# Altium PCB control-boardv1.0.PcbDoc
Units mil, origin at the board's own origin, x right, y up, seen from the top; angles counter-clockwise.
Board outline 3425.2 x 3661.42 mil, 2 copper layers (Top Layer, Bottom Layer); 100 components, 96 nets, 357 pads, 170 vias.
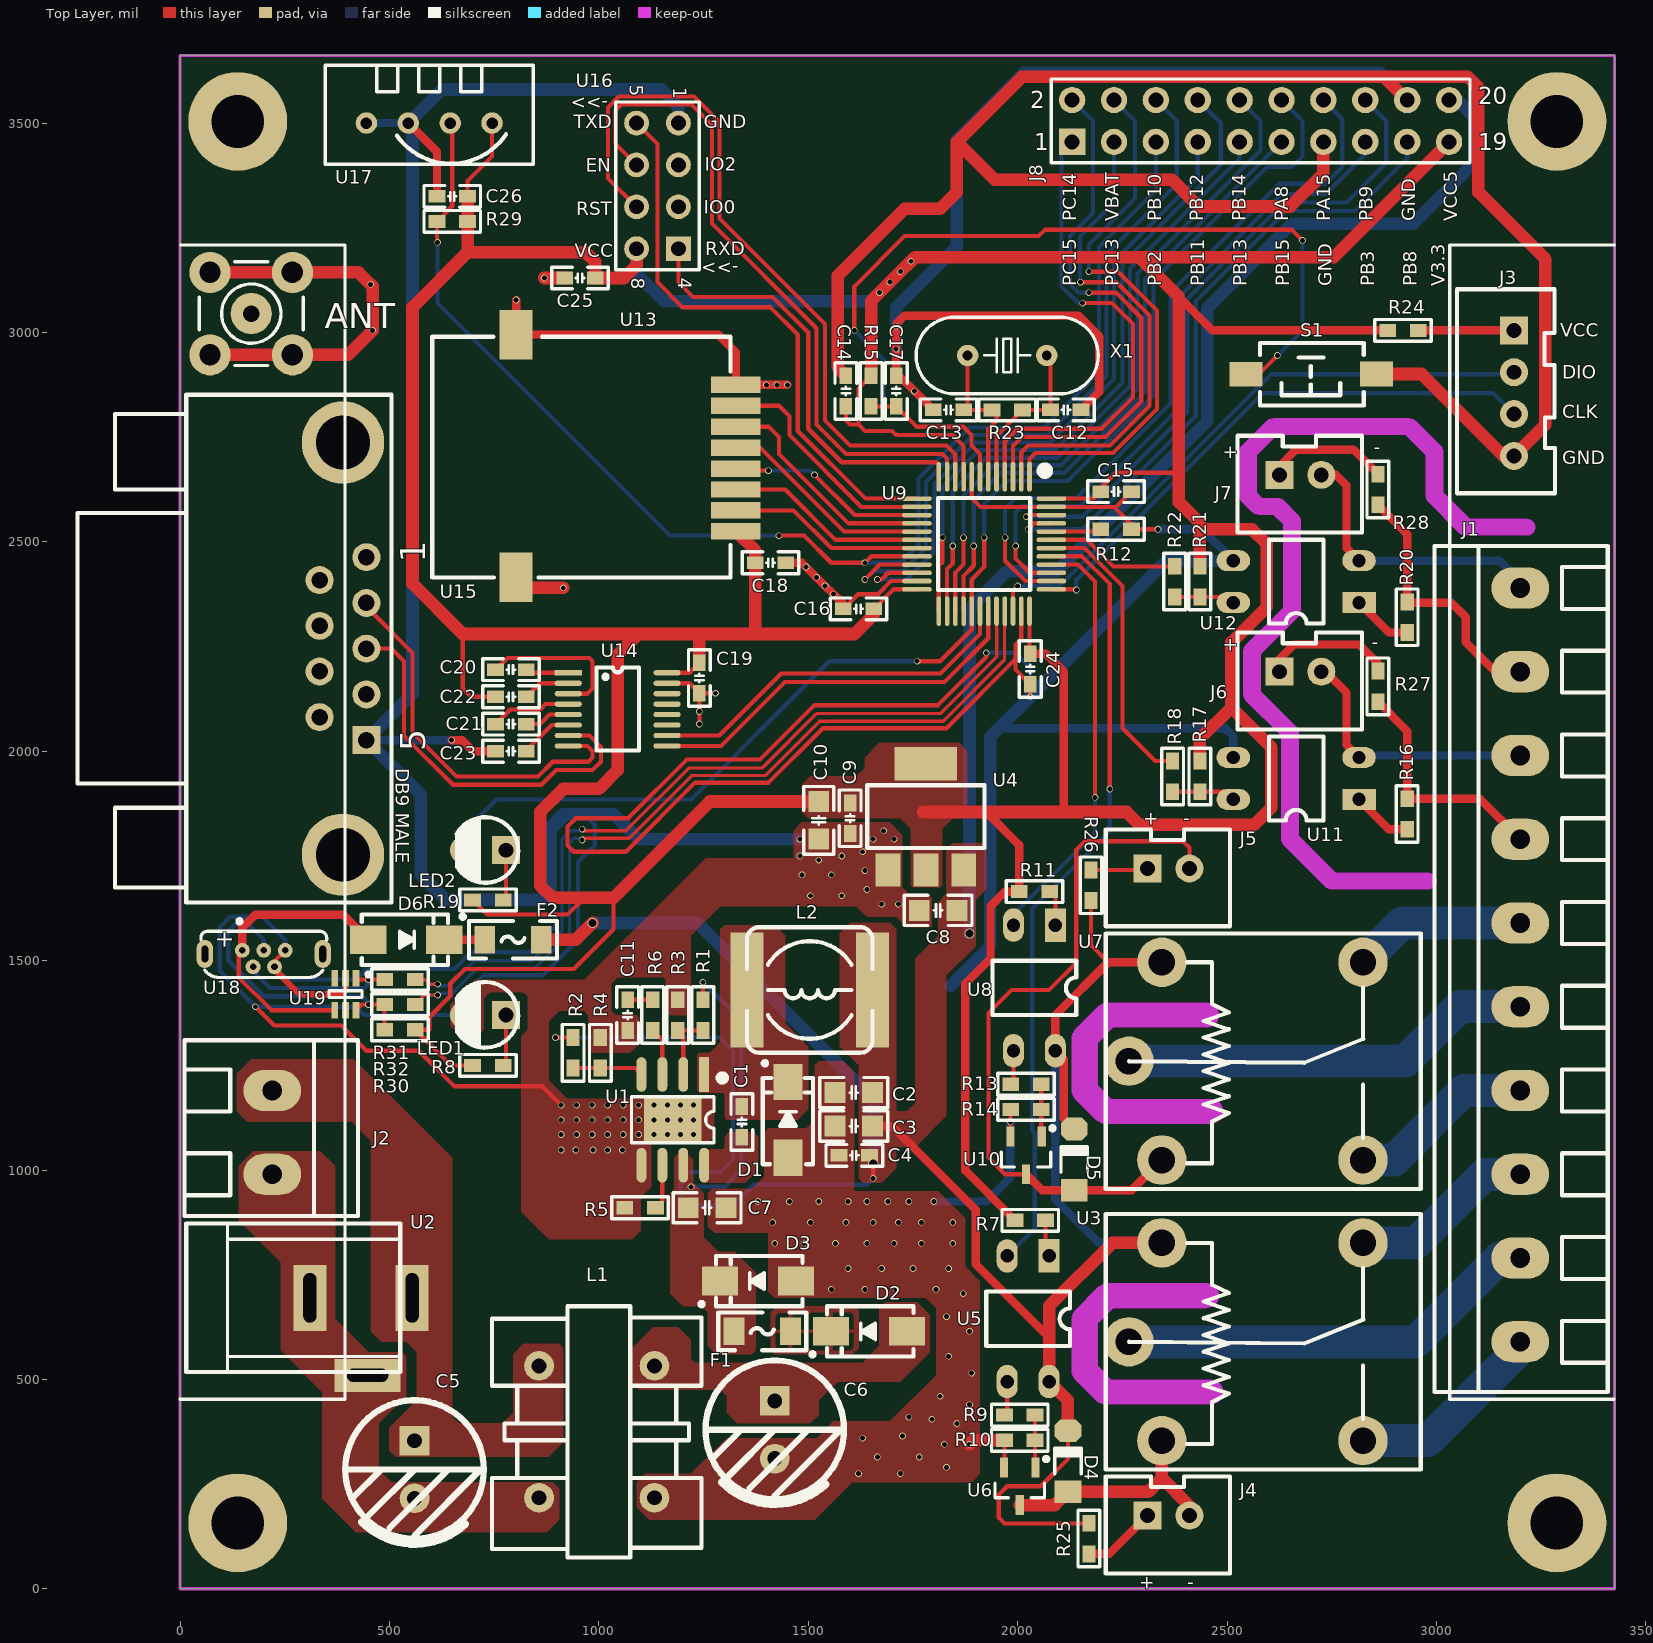
[diagram p0: Top Layer view]
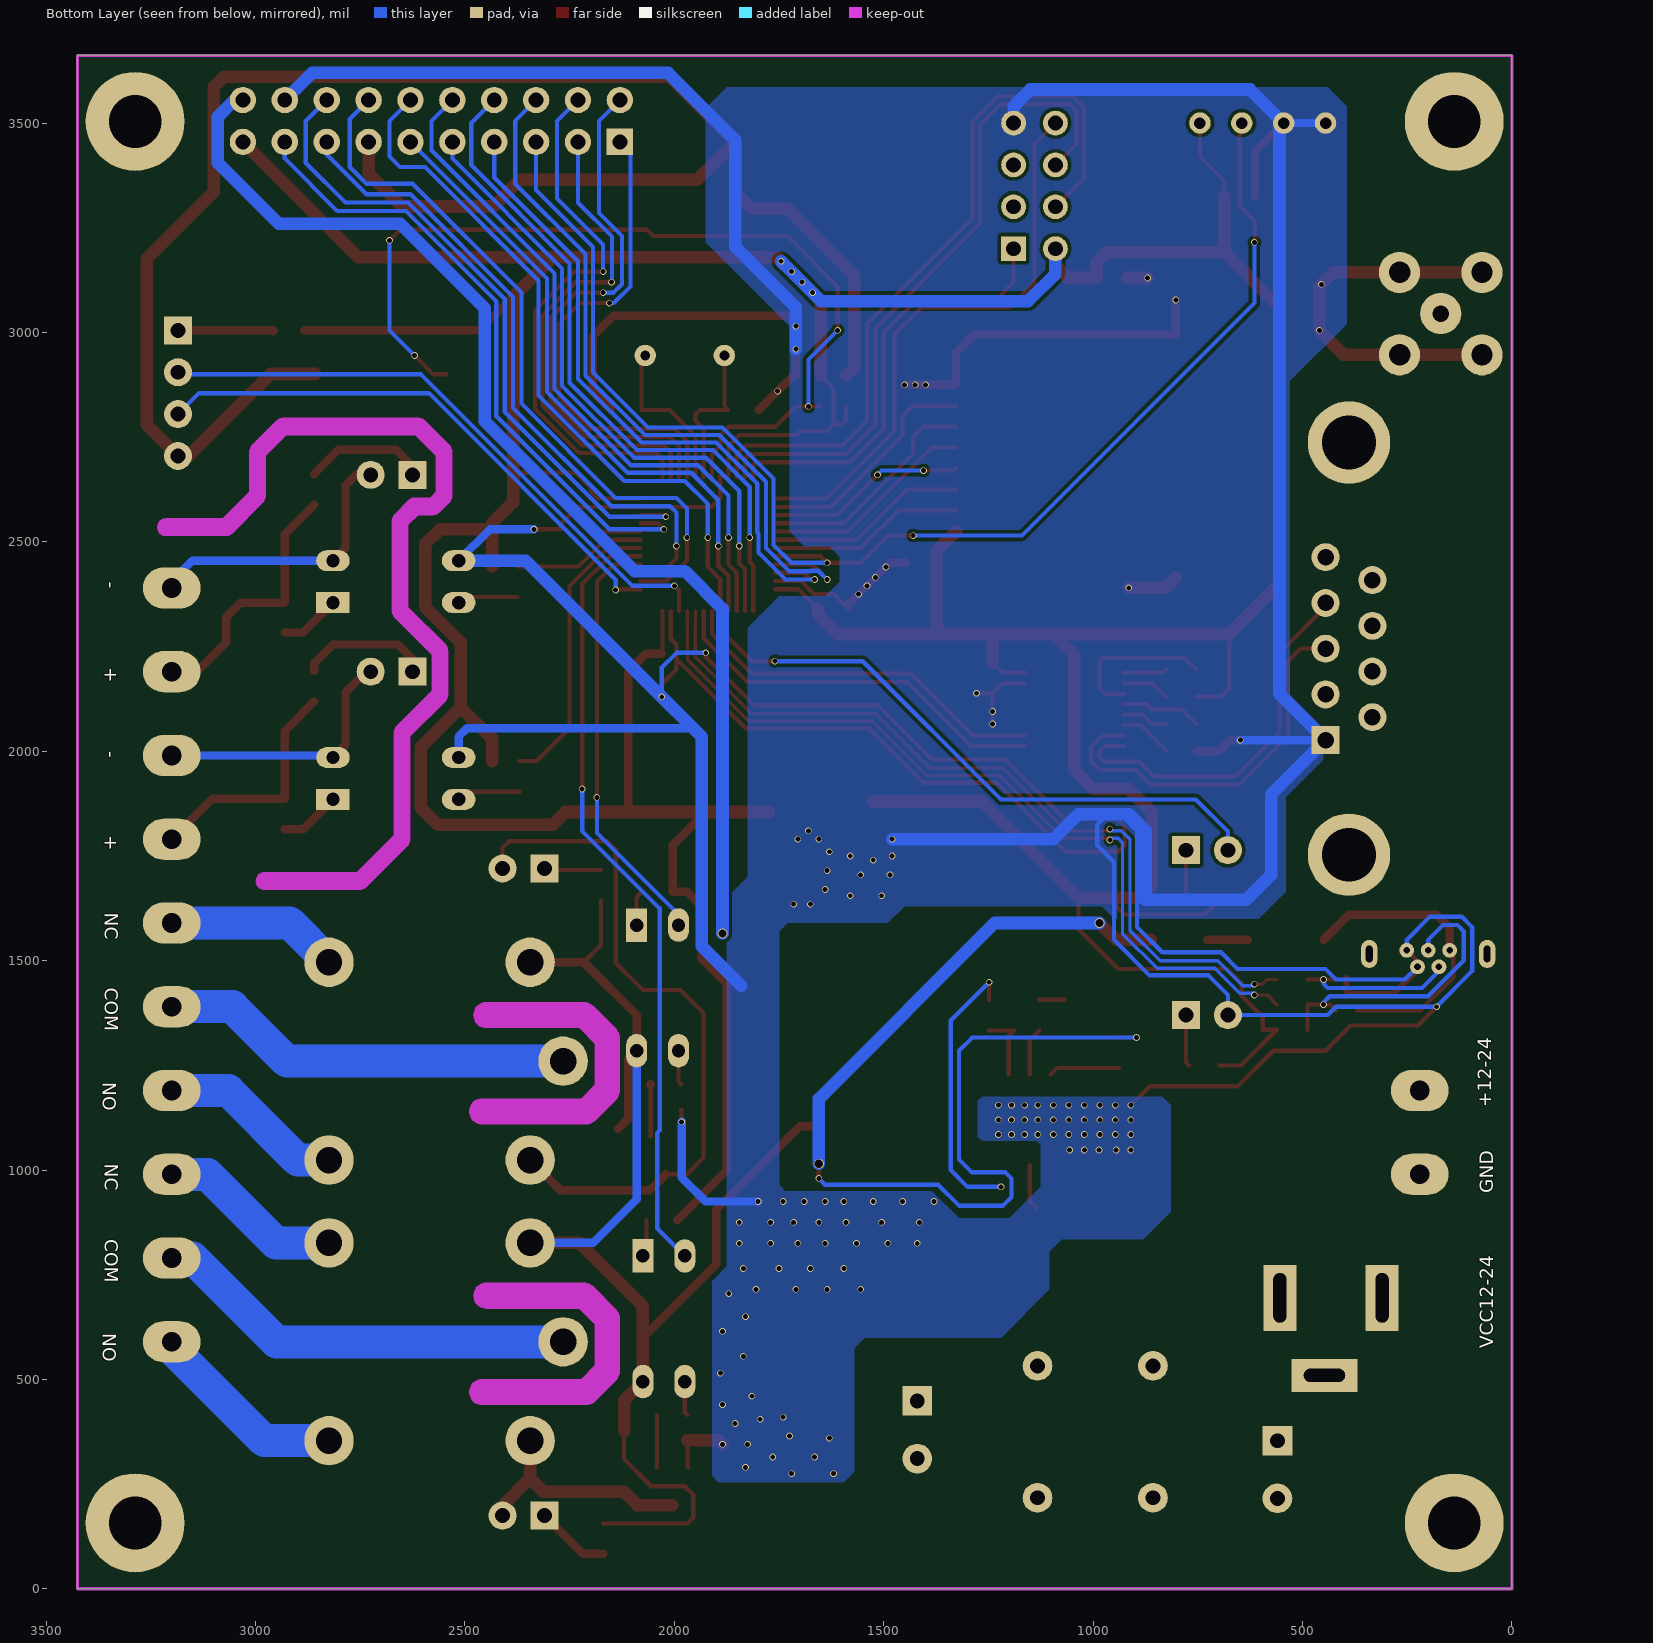
[diagram p1: Bottom Layer view, seen from below]

## Layer stack, top to bottom
Top Solder: solder mask 0.4, Solder Resist, Dk 3.5
Top Layer: signal copper 1.4
Dielectric 1: dielectric 12.6, FR-4, Dk 4.8
Bottom Layer: signal copper 1.4
Bottom Solder: solder mask 0.4, Solder Resist, Dk 3.5

## Board outline
0,0 0,3661.42 3425.2,3661.42 3425.2,0
cut-out: 2546.08,2121.06 cw(c2560,2135) 2540.3,2135 2540.3,2240 cw(c2560,2240) 2546.07,2253.93 2546.06,2253.92 2635.3,2343.16 2635.3,2541.84 2611.84,2565.3 2575,2565.3 cw(c2575,2585) 2561.06,2571.08 2561.07,2571.07 2536.07,2596.07 2536.08,2596.06 cw(c2550,2610) 2530.3,2610 2530.3,2715 cw(c2550,2715) 2536.08,2728.94 2536.07,2728.93 2596.07,2788.93 2596.06,2788.92 cw(c2610,2775) 2610,2794.7 2935,2794.7 cw(c2935,2775) 2948.94,2788.92 2948.93,2788.93 3008.93,2728.93 3008.92,2728.94 cw(c2995,2715) 3014.7,2715 3014.7,2618.16 3078.16,2554.7 3215,2554.7 cw(c3215,2535) 3234.7,2535 cw(c3215,2535) 3215,2515.3 3070,2515.3 cw(c3070,2535) 3056.06,2521.08 3056.07,2521.07 2981.07,2596.07 2981.08,2596.06 cw(c2995,2610) 2975.3,2610 2975.3,2706.84 2926.84,2755.3 2618.16,2755.3 2569.7,2706.84 2569.7,2618.16 2583.16,2604.7 2620,2604.7 cw(c2620,2585) 2633.94,2598.92 2633.93,2598.93 2668.93,2563.93 2668.92,2563.94 cw(c2655,2550) 2674.7,2550 2674.7,2335 cw(c2655,2335) 2668.93,2321.07 2668.94,2321.08 cw(c2655,2335) 2668.92,2321.06 2668.94,2321.08 2579.7,2231.84 2579.7,2143.16 2663.93,2058.93 2663.92,2058.94 cw(c2650,2045) 2669.7,2045 2669.7,1798.16 2758.16,1709.7 2980,1709.7 cw(c2980,1690) 2999.7,1690 cw(c2980,1690) 2980,1670.3 2750,1670.3 cw(c2750,1690) 2736.06,1676.08 2736.07,1676.07 2636.07,1776.07 2636.08,1776.06 cw(c2650,1790) 2630.3,1790 2630.3,2036.84
cut-out: 2139.1,499.12 ccw(c2160,520) 2139.12,499.1 2139.11,499.11 cw(c2160,520) 2130.46,520 2130.46,645 cw(c2160,645) 2139.11,665.89 2139.1,665.88 2194.12,720.9 ccw(c2215,700) 2194.1,720.88 2194.11,720.89 cw(c2215,700) 2215,729.54 2450,729.54 cw(c2450,700) 2479.54,700 cw(c2450,700) 2450,670.46 2227.24,670.46 2189.54,632.76 2189.54,532.24 2222.24,499.54 2460,499.54 cw(c2460,470) 2489.54,470 cw(c2460,470) 2460,440.46 2210,440.46 cw(c2210,470) 2189.11,449.11 2189.12,449.1 cw(c2210,470) 2189.1,449.12 2189.12,449.1
cut-out: 2139.1,1169.12 ccw(c2160,1190) 2139.12,1169.1 2139.11,1169.11 cw(c2160,1190) 2130.46,1190 2130.46,1315 cw(c2160,1315) 2139.11,1335.89 2139.1,1335.88 2194.12,1390.9 ccw(c2215,1370) 2194.1,1390.88 2194.11,1390.89 cw(c2215,1370) 2215,1399.54 2450,1399.54 cw(c2450,1370) 2479.54,1370 cw(c2450,1370) 2450,1340.46 2227.24,1340.46 2189.54,1302.76 2189.54,1202.24 2222.24,1169.54 2460,1169.54 cw(c2460,1140) 2489.54,1140 cw(c2460,1140) 2460,1110.46 2210,1110.46 cw(c2210,1140) 2189.11,1119.11 2189.12,1119.1 cw(c2210,1140) 2189.1,1119.12 2189.12,1119.1

## Design rules (kind name [scope] priority, off if disabled: settings)
Clearance [All] p1: gap=8 ignorepadtopadclearanceinfootprint=TRUE
ComponentClearance [All] p1: gap=0 collisioncheckmode=3 verticalgap=0 showdistances=FALSE
DiffPairsRouting [All] p1: maxlimit=10 minlimit=10 mostfreqgap=10 toplayer_minwidth=8 toplayer_maxwidth=15 toplayer_prefwidth=8 bottomlayer_minwidth=8 bottomlayer_maxwidth=15 bottomlayer_prefwidth=8 maxuncoupledlength=500
HoleSize [All] p1: absolutevalues=TRUE maxlimit=196.85 minlimit=11.81 maxpercent=80.000 minpercent=20.000
MinimumSolderMaskSliver [All] p1: minsoldermaskwidth=0
PolygonConnect PolygonConnect_PWR [InNetClass('PWR')] p1: connectstyle=Direct reliefconductorwidth=10 reliefentries=4 polygonreliefangle="90 Angle" airgapwidth=10
PolygonConnect [All] p2: thpad.connectstyle=Relief thpad.reliefconductorwidth=10 thpad.reliefentries=4 thpad.polygonreliefangle="90 Angle" thpad.airgapwidth=10 smdpad.connectstyle=Relief smdpad.reliefconductorwidth=10 smdpad.reliefentries=4 smdpad.polygonreliefangle="90 Angle" smdpad.airgapwidth=10 via.connectstyle=Direct via.reliefconductorwidth=10 via.reliefentries=4 via.polygonreliefangle="90 Angle" via.airgapwidth=10
RoutingVias [All] p1: holewidth=11.81 width=15.75 viastyle="Through Hole" minholewidth=11.81 minwidth=15.75 maxholewidth=39.37 maxwidth=50
SilkToSilkClearance [All] p1: silktosilkclearance=0
SilkToSolderMaskClearance [IsPad] p1: minsilkscreentomaskgap=0 clearancetoexposedcopper=TRUE
SolderMaskExpansion [All] p1: expansion=4
Width [All] p1: maxlimit=78.74 minlimit=10 preferedwidth=10
24 further rules are at their usual default settings.

## Classes and differential pairs
net class PWR: GND NetC1_1 NetC1_2 NetC5_1 NetC5_2 NetC6_1 VCC3.3 VCC5 VCC_IN
differential pair USB: +USB_P -USB_N

## Components (designator, comment, footprint, x,y, rotation, side; value= is the part's Value field where it differs from the comment)
ANT "ANT" ANT-SMA-FR 170,3045 r90 top locked
C1 "104" "C 0603" 1341.5,1115 r270 top
C2 "22uF" "C 0805" 1608.5,1185 r180 top
C3 "22uF" "C 0805" 1608.5,1105 r180 top
C4 "104" "C 0603" 1610,1035 r180 top
C5 "220uF" "CS 3.5*8*11.5 - C" 560,285 r90 top
C6 "220uF" "CS 3.5*8*11.5 - C" 1420,380 r90 top
C7 "10uF" "C 0805" 1258.5,910 r180 top
C8 "10uF" "C 0805" 1810,1620 r0 top
C9 "104" "C 0603" 1600,1840 r90 top
C10 "22uF" "C 0805" 1525,1835 r90 top
C11 "150pF" "C 0603" 1068.5,1370 r90 top
C12 "22pF" "C 0603" 2115,2815 r180 top
C13 "22pF" "C 0603" 1835,2815 r0 top
C14 "104" "C 0603" 1590,2860 r270 top
C15 "104" "C 0603" 2235,2620 r180 top
C16 "104" "C 0603" 1620,2340 r0 top
C17 "104" "C 0603" 1710,2860 r270 top
C18 "104" "C 0603" 1410,2450 r0 top
C19 "104" "C 0603" 1240,2175 r90 top
C20 "104" "C 0603" 790,2195 r0 top
C21 "104" "C 0603" 790,2065 r180 top
C22 "104" "C 0603" 790,2130 r180 top
C23 "104" "C 0603" 790,2000 r180 top
C24 "104" "C 0603" 2030,2196.5 r90 top
C25 "104" "C 0603" 955,3130 r180 top
C26 "104" "C 0603" 650,3325 r180 top
D1 "SS34" SMA 1451.5,1120 r90 top
D2 "SS14" SMA 1645,615 r180 top
D3 "SMBJ24A" SMA 1380,735 r180 top
D4 "1N4007" LL34 2120,305 r90 top
D5 "1N4007" LL34 2135,1025 r90 top
D6 "SS14" SMA 540,1550 r0 top
F1 "2000mA" "F 1206" 1390,615 r180 top
F2 "1000mA" "F 1206" 795,1550 r0 top
J1 "KF128" KF128-5.08-10P 3200,1490 r90 top locked
J2 "KF128-2P" KF128-5.08-2P 220,1090 r270 top locked
J3 "Header 4" XH2.54-LI-4P 3185,2855 r270 top
J4 "Header 2" XH2.54-LI-2P 2360,175 r0 top
J5 "Header 2" XH2.54-LI-2P 2360,1720 r0 top
J6 "Header 2" XH2.54-LI-2P 2675,2190 r0 top
J7 "Header 2" XH2.54-LI-2P 2675,2660 r0 top
J8 "Header10X2" HDR2.54-LI-2x10P 2580,3505 r0 top locked
L1 "L" "L UU9.8" 995,375 r270 top
L2 "22uH" "L CDRH74" 1503.5,1430 r180 top
LED1 "LED" "LED 3MM" 728.35,1370.08 r180 top locked
LED2 "LED" "LED 3MM" 728.35,1763.78 r180 top locked
R1 "100K" "R 0603" 1248.5,1370 r90 top
R2 "210K" "R 0603" 938.5,1280 r90 top
R3 "47K" "R 0603" 1188.5,1370 r270 top
R4 "40.2K" "R 0603" 1003.5,1280 r270 top
R5 "200K" "R 0603" 1098.5,910 r0 top
R6 "100K" "R 0603" 1128.5,1370 r270 top
R7 "1K" "R 0603" 2030,880 r0 top
R8 "1K" "R 0603" 735,1250 r180 top
R9 "1K" "R 0603" 2005,415 r0 top
R10 "10K" "R 0603" 2005,355 r0 top
R11 "1K" "R 0603" 2040,1665 r0 top
R12 "10K" "R 0603" 2235,2530 r180 top
R13 "1K" "R 0603" 2020,1205 r0 top
R14 "10K" "R 0603" 2020,1145 r0 top
R15 "10K" "R 0603" 1650,2860 r90 top
R16 "2K" "R 0603" 2930,1850 r90 top
R17 "10K" "R 0603" 2435,1940 r90 top
R18 "1K" "R 0603" 2370,1940 r270 top
R19 "1K" "R 0603" 735,1645 r180 top
R20 "2K" "R 0603" 2930,2320 r90 top
R21 "10K" "R 0603" 2435,2405 r90 top
R22 "1K" "R 0603" 2375,2405 r270 top
R23 "1M" "R 0603" 1975,2815 r0 top
R24 "DNP" "R 0603" 2920,3005 r180 top
R25 "1K" "R 0603" 2170,120 r90 top
R26 "1K" "R 0603" 2175,1680 r270 top
R27 "1K" "R 0603" 2860,2155 r270 top
R28 "1K" "R 0603" 2860,2625 r270 top
R29 "10K" "R 0603" 650,3265 r0 top
R30 "1.5K" "R 0603" 525,1335 r0 top
R31 "22R" "R 0603" 525,1455 r0 top
R32 "22R" "R 0603" 525,1395 r0 top
S1 "KEY" "KEY SMD-3*6*2.5" 2700,2900 r180 top
U1 "MP1584" "MP1584 SOP8" 1176.5,1120 r270 top
U2 "DC005" DC005 310,695 r180 top locked
U3 "SRD" SRD-C 2545,590 r0 top locked
U4 "AMS1117" SOT223 1780,1845 r0 top
U5 "PC817" DIP4 2025,645 r270 top
U6 "8050 NPN" SOT23-3 2005,245 r180 top
U7 "SRD" SRD-C 2545,1260 r0 top locked
U8 "PC817" DIP4 2040,1435 r270 top
U9 "GD32F103C8T6" LQFP48 1920,2495 r270 top locked
U10 "8050 NPN" SOT23-3 2020,1035 r180 top
U11 "PC817" DIP4 2665,1935 r180 top
U12 "PC817" DIP4 2665,2405 r180 top
U13 "E01-ML01SP4" E01-ML01SP4 1065,2705 r180 top locked
U14 "SP3232EN" TSSOP16 1045,2100 r0 top
U15 "DB9" DB9-MALE 445,2245 r270 top locked
U16 "ESP8266-01S" ESP8266-01S 1140,3350 r270 top locked
U17 "DHT11/DS18B20" DHT11 595,3500 r180 top locked
U18 "MicroUSB" "USB MICROUSB-L" 200,1505 r0 top locked
U19 "SMF05CT1G" LC-SC-70-6(SOT-363) 395,1420 r270 top
X1 "8M" XTAL-HC49S 1975,2945 r180 top

## Footprints (in the part's own frame and the unit in brackets; to place one, negate y for a bottom-side part, rotate by r counter-clockwise, add the part's x,y. Pads: shape width x height; smd on the part's side, far side on the other; paste and mask are expansions set on the pad)
ANT-SMA-FR [mm] "SMA天线座90度"
  round 2.5 hole 1: 1(0,0)
  round 2.5 hole 1.3: 2(-2.5,2.5) 2(2.5,2.5) 3(-2.5,-2.5) 3(2.5,-2.5)
  silkscreen extent -3.15,-3.15 3.15,3.15, body extent -3.5,-3.5 3.5,11.6, height 10.26
"C 0603" [mil]
  rect 40x30 smd: 1(-36.5,0) 2(36.5,0)
  silkscreen extent -68,-26 68,26, body extent -34,-17 36,16, height 17
"C 0805" [mil]
  rect 50x50 smd: 1(-45,0) 2(45,0)
  silkscreen extent -81,-36 81,36, body extent -39,-25 39,25, height 20
"CS 3.5*8*11.5 - C" [mm] "脚距3.5mm , 直径8mm , 高11.5mm"
  rect 1.8x1.8 hole 0.9: 1(1.75,0)
  round 1.8 hole 0.9: 2(-1.75,0)
  silkscreen extent -4.5,-4.2 4.2,4.2, body extent -4,-4 4,4, height 11.52
DB9-MALE [mm] "DB9公头"
  round 1.7 hole 1: 1(-5.546,0) 2(-2.773,0) 3(0,0) 4(2.773,0) 6(-4.155,-2.84) 7(-1.385,-2.84) 8(1.385,-2.84) 9(4.155,-2.84)
  rect 1.7x1.7 hole 1: 5(5.546,0)
  round 5 hole 3.25: 10(12.5,-1.42) 11(-12.5,-1.42)
  silkscreen extent -15.4,-17.53 15.4,1.52, body extent -15.45,-17.25 15.45,1.25, height 12.65
DC005 [mm] "DC005座子"
  rect 2x4 hole 0.8 slot 3 at 90 deg: 1(-6.2,0) 2(0,0)
  rect 4x2 hole 0.8 slot 2.5 at 0 deg: 3(-3.5,4.7)
  silkscreen extent -5.48,-4.5 7.5,4.5, body extent -6.55,-4.5 7.5,4.8, height 11.2
DHT11 [mm] "DHT11和DS18B20公用"
  round 1.3 hole 0.7: 1(-3.81,0) 2(-1.27,0) 3(1.27,0) 4(3.81,0)
  silkscreen extent -6.31,-3.5 6.31,2.5, body extent -6,-2.88 6,2.62, height 15.75
DIP4 [mil]
  rect 80x50 hole 32: 1(-150,50)
  oval 80x50 hole 32: 2(-150,-50) 3(150,-50) 4(150,50)
  silkscreen extent -65,-100 65,100, body extent -157,-108 157,110, height 170
E01-ML01SP4 [mm] "贴片24L01模块"
  rect 3x1 smd: 1(-6.665,4.572) 2(-6.665,3.302) 3(-6.665,2.032) 4(-6.665,0.762) 5(-6.665,-0.508) 6(-6.665,-1.778) 7(-6.665,-3.048) 8(-6.665,-4.318)
  rect 2x3 smd: 9(6.665,-7.366) 10(6.665,7.366)
  silkscreen extent -6.34,-7.23 11.76,7.37, body extent -6.36,-7.12 11.64,7.38, height 2.4
ESP8266-01S [mm] "WIFI模块"
  round 1.5 hole 0.9: 1(-3.81,1.27) 2(-1.27,1.27) 3(1.27,1.27) 5(-3.81,-1.27) 6(-1.27,-1.27) 7(1.27,-1.27) 8(3.81,-1.27)
  rect 1.5x1.5 hole 0.9: 4(3.81,1.27)
  silkscreen extent -5.08,-2.54 5.08,2.54, body extent -7.19,-2.52 7.31,22.28, height 14.38
"F 1206" [mil]
  rect 50x65 smd: 1(-67.5,0) 2(67.5,0)
  silkscreen extent -105,-45 105,45, body extent -63,-32 63,32, height 34
HDR2.54-LI-2x10P [mm]
  rect 1.6x1.6 hole 0.9: 1(-11.43,-1.27)
  round 1.6 hole 0.9: 2(-11.43,1.27) 3(-8.89,-1.27) 4(-8.89,1.27) 5(-6.35,-1.27) 6(-6.35,1.27) 7(-3.81,-1.27) 8(-3.81,1.27) 9(-1.27,-1.27) 10(-1.27,1.27) 11(1.27,-1.27) 12(1.27,1.27) 13(3.81,-1.27) 14(3.81,1.27) 15(6.35,-1.27) 16(6.35,1.27) 17(8.89,-1.27) 18(8.89,1.27) 19(11.43,-1.27) 20(11.43,1.27)
  silkscreen extent -12.7,-2.54 12.7,2.54, body extent -12.7,-2.54 12.7,2.54, height 8.5
"KEY SMD-3*6*2.5" [mm]
  rect 2x1.5 smd: 1(-3.996,-0.02) 2(3.937,0)
  silkscreen extent -3.21,-1.9 3.09,1.9, body extent -4,-1.88 4,1.62, height 2.59
KF128-5.08-2P [mm] "螺钉式接线端子，脚距5.08mm"
  oval 2.5x3.5 hole 1.2: 1(-2.54,0) 2(2.54,0)
  silkscreen extent -5.59,-5.31 5.08,5.21, body extent -5.58,-5.3 5.08,5.2, height 14.15
KF128-5.08-10P [mm] "螺钉式接线端子，脚距5.08mm"
  oval 2.5x3.5 hole 1.2: 1(-22.86,0) 2(-17.78,0) 3(-12.7,0) 4(-7.62,0) 5(-2.54,0) 6(2.54,0) 7(7.62,0) 8(12.7,0) 9(17.78,0) 10(22.86,0)
  silkscreen extent -25.91,-5.31 25.4,5.21, body extent -25.9,-5.3 25.4,5.2, height 14.15
"L CDRH74" [mm] "贴片电感"
  rect 2x7 smd: 1(-3.81,0) 2(3.81,0)
  silkscreen extent -3.81,-3.81 3.81,3.81, body extent -3.65,-3.65 3.65,3.65, height 4.5
"L UU9.8" [mm] "共模电感17*12*17mm(长宽高）"
  round 1.8 hole 0.9: 1(-4,-3.5) 2(-4,3.5) 3(4,3.5) 4(4,-3.5)
  silkscreen extent -7.62,-6.35 7.62,6.35, body extent -8.5,-6 8.5,6, height 17.05
LC-SC-70-6(SOT-363) [mm]
  rect 1x0.42 smd mask+0.051: 1(-0.97,0.65) 2(-0.97,0) 3(-0.97,-0.65) 4(0.97,-0.65) 5(0.97,0) 6(0.97,0.65)
  silkscreen extent -1.32,-1 0.2,1.53, body extent -1.2,-1.1 1.2,1.1, height 1.1
"LED 3MM" [mm]
  rect 1.7x1.7 hole 0.9: 1(-1.27,0)
  round 1.7 hole 0.9: 2(1.27,0)
  silkscreen extent -2.01,-2 1.72,1.98, body extent -1.95,-1.95 1.64,1.95, height 5.55
LL34 [mm]
  rect 1.37x1.62 smd: 1(-1.855,0)
  oct 1.37x1.62 smd: 2(1.855,0)
  silkscreen extent -0.76,-0.8 0.78,0.8, body extent -1.7,-0.75 1.7,0.75, height 1.5
LQFP48 [mm] "7X7mm 0.5脚距"
  oval 1.8x0.279 smd: 1(-4.075,2.75) 2(-4.075,2.25) 3(-4.075,1.75) 4(-4.075,1.25) 5(-4.075,0.75) 6(-4.075,0.25) 7(-4.075,-0.25) 8(-4.075,-0.75) 9(-4.075,-1.25) 10(-4.075,-1.75) 11(-4.075,-2.25) 12(-4.075,-2.75) 25(4.075,-2.75) 26(4.075,-2.25) 27(4.075,-1.75) 28(4.075,-1.25) 29(4.075,-0.75) 30(4.075,-0.25) 31(4.075,0.25) 32(4.075,0.75) 33(4.075,1.25) 34(4.075,1.75) 35(4.075,2.25) 36(4.075,2.75)
  oval 0.279x1.8 smd: 13(-2.75,-4.075) 14(-2.25,-4.075) 15(-1.75,-4.075) 16(-1.25,-4.075) 17(-0.75,-4.075) 18(-0.25,-4.075) 19(0.25,-4.075) 20(0.75,-4.075) 21(1.25,-4.075) 22(1.75,-4.075) 23(2.25,-4.075) 24(2.75,-4.075) 37(2.75,4.075) 38(2.25,4.075) 39(1.75,4.075) 40(1.25,4.075) 41(0.75,4.075) 42(0.25,4.075) 43(-0.25,4.075) 44(-0.75,4.075) 45(-1.25,4.075) 46(-1.75,4.075) 47(-2.25,4.075) 48(-2.75,4.075)
  silkscreen extent -4.69,-2.79 2.79,3.93, body extent -4.5,-4.5 4.5,4.5, height 1.45
"MP1584 SOP8" [mm] "底部焊盘连接GND"
  rect 2.1x0.6 smd: 1(-2.75,1.905)
  oval 2.1x0.6 smd: 2(-2.75,0.635) 3(-2.75,-0.635) 4(-2.75,-1.905) 5(2.75,-1.905) 6(2.75,-0.635) 7(2.75,0.635) 8(2.75,1.905)
  rect 2.62x3.51 smd paste-2: 5(0,0)
  silkscreen extent -2.69,-2.5 1.4,3.15, body extent -3,-2.5 3,2.5, height 1.53
"R 0603" [mil]
  rect 40x31.5 smd: 1(-36.5,0) 2(36.5,0)
  silkscreen extent -68,-26 68,26, body extent -35,-12 36,12, height 17
SMA [mm]
  rect 2.2x1.75 smd: 1(-2.3,0) 2(2.3,0)
  silkscreen extent -2.7,-1.52 3.56,1.52, body extent -2.53,-1.3 2.58,1.3, height 2.15
SOT23-3 [mm]
  rect 0.5x1.2 smd: 1(-0.95,-1.143) 2(0.95,-1.143) 3(0,1.143)
  silkscreen extent -1.72,-1.78 1.5,0.7, body extent -1.5,-1.2 1.5,1.2, height 1.05
SOT223 [mil]
  rect 59x79 smd: 1(-89.55,-128.29) 2(1.01,-128.29) 3(91.56,-128.29)
  rect 150x79 smd: 2(0.34,125.26)
  silkscreen extent -139,-76 141,74, body extent -128,-137 128,137, height 67
SRD-C [mm] "继电器单刀双投"
  round 3 hole 1.6: 1(-5.1,6) 2(-5.1,-6) 3(-7.1,0) 4(7.1,6) 5(7.1,-6)
  silkscreen extent -8.5,-7.75 10.6,7.75, body extent -8.5,-7.75 10.6,7.75, height 15.6
TSSOP16 [mil]
  rect 65x12.5 smd: 1(-118,87.5)
  oval 65x12.5 smd: 2(-118,62.5) 3(-118,37.5) 4(-118,12.5) 5(-118,-12.5) 6(-118,-37.5) 7(-118,-62.5) 8(-118,-87.5) 9(118,-87.5) 10(118,-62.5) 11(118,-37.5) 12(118,-12.5) 13(118,12.5) 14(118,37.5) 15(118,62.5) 16(118,87.5)
  silkscreen extent -50,-98 50,100, body extent -124,-100 128,97, height 41
"USB MICROUSB-L" [mm]
  round 0.9 hole 0.4: 1(-1.3,0.5) 2(-0.65,-0.5) 3(0,0.5) 4(0.65,-0.5) 5(1.3,0.5)
  oval 1x1.7 hole 0.4 slot 1 at 90 deg: 6(-3.575,0.28) 6(3.575,0.28)
  silkscreen extent -3.81,-1.14 3.81,2.39, body extent -4,-1.21 4,1.77, height 5.65
XH2.54-LI-2P [mm]
  rect 1.7x1.7 hole 0.9: 1(-1.27,0)
  round 1.7 hole 0.9: 2(1.27,0)
  silkscreen extent -3.81,-3.51 3.74,2.37, body extent -3.77,-3.3 3.77,2.4, height 7.05
XH2.54-LI-4P [mm]
  rect 1.7x1.7 hole 0.9: 1(-3.81,0)
  round 1.7 hole 0.9: 2(-1.27,0) 3(1.27,0) 4(3.81,0)
  silkscreen extent -6.3,-3.45 6.07,2.49, body extent -6.31,-3.3 6.31,2.4, height 7.03
XTAL-HC49S [mm]
  round 1.3 hole 0.6: 1(-2.4,0) 2(2.4,0)
  silkscreen extent -5.52,-2.32 5.52,2.33, body extent -5.52,-2.32 5.53,2.33, height 4.13
